# Altium PCB GridSeed_Rev04.PcbDoc (part 4 of 6)
Units mm, origin at the board's own origin, x right, y up, seen from the top; angles counter-clockwise.
Board outline 91 x 132.3 mm, 4 copper layers (L1, L2, L3, L4), stack 1.577 mm thick; 519 components, 141 nets, 2171 pads, 2470 vias.
Unrouted connection lines stored in the file: 1.
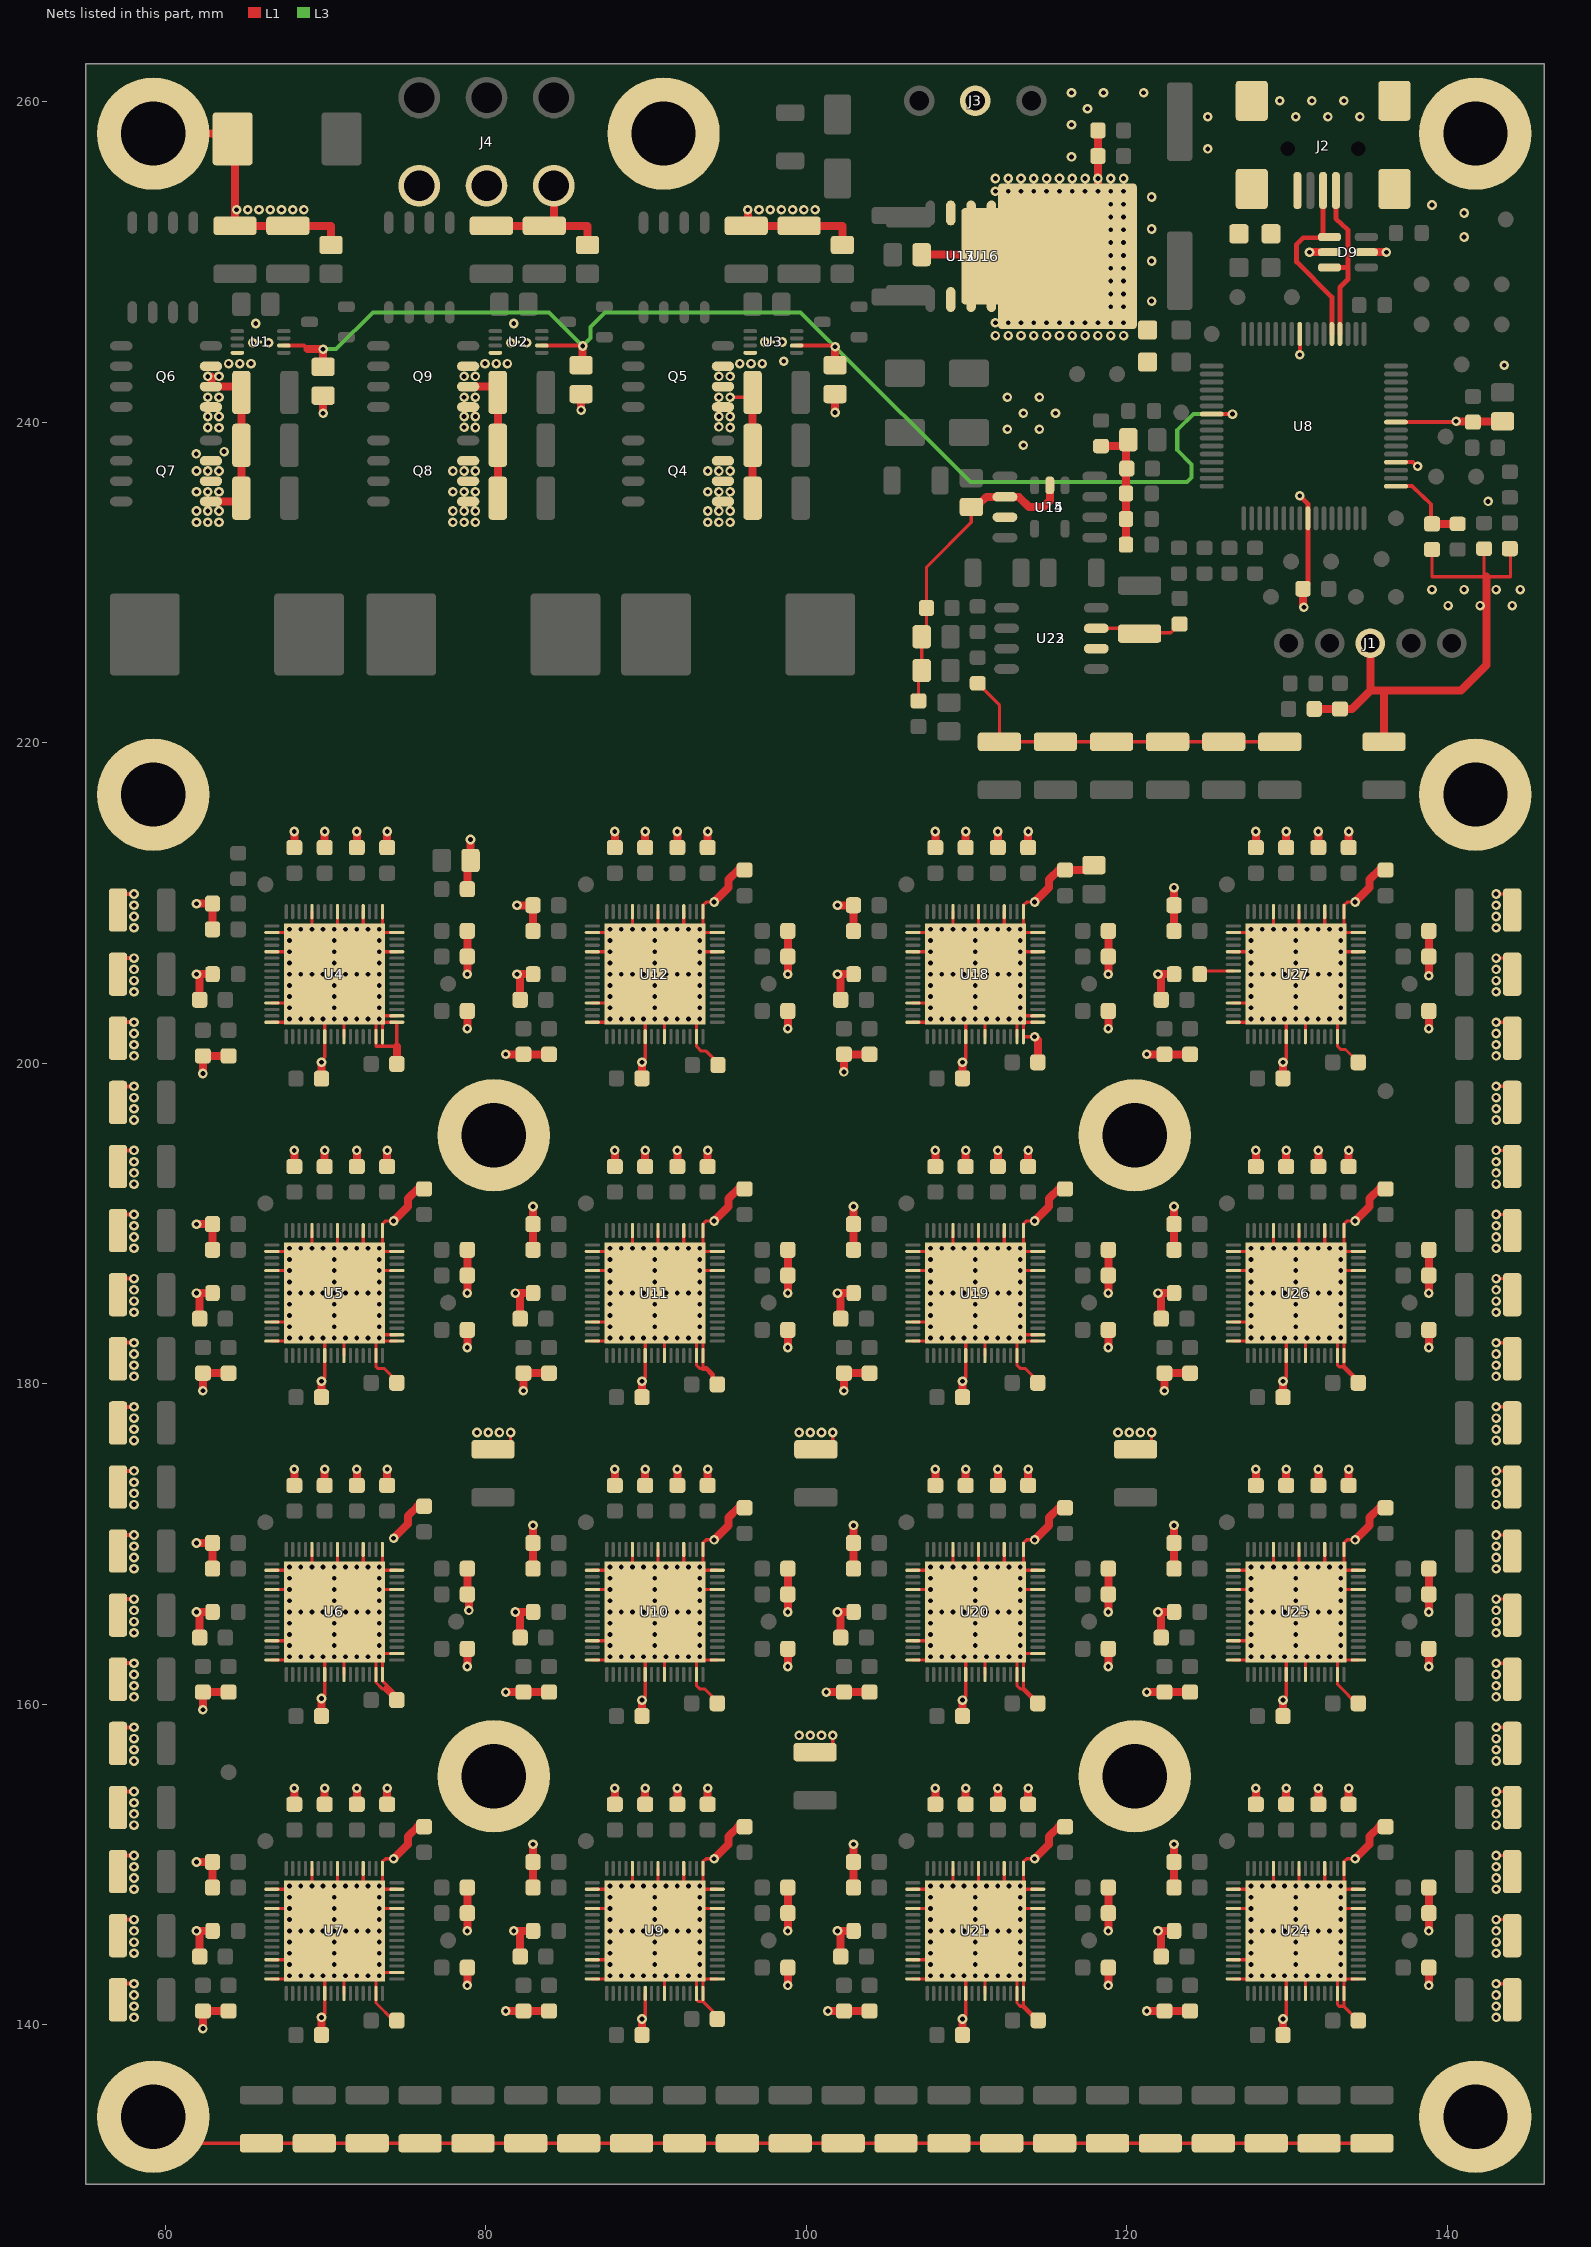
[diagram p6: the nets of this part, all layers, seen from the top]

## Via types
v1: diameter 0.6/0.6/0.6/0.6 (per signal layer), hole 0.3, L1 to L4, 2470 vias

## Nets (pads, with @x,y where several pads share a name; then routed paths per layer and width w, separated by ;. In a path a pad name is that pad's centre, name@x,y a point inside that pad or via, vN(x,y) a via of type N, cw(c..) or ccw(c..) an arc to the next point about the centre after c; other vN are vias at no path point) (continued)
CORE_CLKOUT_16: R67.2 U27.56 | length 2.2
  L1 w0.2: R67.2@124.55,205.55 124.85,205.75 U27.56@126.65,205.75
D+: D9.1 J2.3 U8.37 | length 11.7
  L1 w0.3: J2.3@132.25,254.45 D9.1@132.25,251.5 ; D9.1@132.65,251.55 D9.1@132.25,251.5 ; U8.37@132.8,245.5 132.8,247.8 130.6,250 130.6,251.1 131,251.5 D9.1@132.25,251.5
D-: D9.3 J2.2 U8.36 | length 10.6
  L1 w0.3: D9.3@132.65,249.65 133.8,249.65 ; J2.2@133.05,254.45 133.05,252.7 133.8,252 133.8,249.65 ; U8.36@133.3,245.5 133.3,248.4 133.8,248.9 133.8,249.65
DRVLOGIC: C4.1 C5.1 C6.1 U1.6 U2.6 U3.6 U8.55 | length 81.7
  L1 w0.2: C5.1@85.95,243.55 C5.1@86.05,243.55
  L1 w0.25: U1.6@67.4,244.775 68.669,244.775 68.868,244.576 ; U2.6@83.5,244.775 86.225,244.775 v1(86.05,244.75) ; U3.6@99.4,244.775 101.725,244.775 v1(101.8,244.7) ; U8.55@125.3,240.5 v1(126.6,240.5)
  L1 w0.5: 68.868,244.576 68.895,244.55 v1(69.85,244.55) C4.1@69.85,243.45 ; C5.1@86.05,243.55 v1(86.05,244.75) ; C6.1@101.8,243.55 v1(101.8,244.7)
  L3 w0.25: v1(69.85,244.55) 70.65,244.55 72.95,246.85 83.95,246.85 v1(86.05,244.75) 86.538,245.261 86.539,245.939 87.45,246.85 99.65,246.85 v1(101.8,244.7) 110.25,236.25 123.75,236.25 124.05,236.55 124.05,237.35 123.15,238.25 123.15,239.5 124.15,240.5 v1(126.6,240.5)
FB: C166.1 R26.1 U8.17 | length 5.5
  L1 w0.25: U8.17@136.8,236 137.8,236 139,234.85 139,233.7 C166.1@139.05,233.65
  L1 w0.5: C166.1@139.05,233.65 R26.1@140.65,233.65
GND: C1.1 C2.1 C3.1 C4.2 C5.2 C6.2 C10.1 C11.1 C12.1 C13.1 C14.1 C15.1 C16.1 C17.1 C18.1 C19.1 C20.2 C21.2 C22.1 C23.1 C24.1 C25.1 C26.1 C27.1 C28.1 C29.1 C30.1 C31.1 C32.1 C33.1 C34.1 C35.1 C36.1 C37.1 C38.1 C39.1 C40.1 C41.1 C42.1 C43.1 C44.1 C45.1 C46.1 C47.1 C48.1 C49.1 C50.1 C51.1 C52.1 C53.1 C54.1 C55.1 C56.1 C57.1 C58.1 C59.1 C60.1 C61.1 C62.1 C63.1 C64.1 C65.1 C66.1 C67.1 C68.1 C69.2 C70.1 C71.1 C72.1 C73.1 C74.1 C75.1 C76.1 C77.1 C78.1 C79.1 C80.1 C81.1 C82.1 C83.1 C84.1 C85.1 C118.1 C119.1 C120.1 C121.1 C122.1 C123.1 C124.1 C125.1 C126.1 C127.1 C128.1 C129.1 C130.1 C131.1 C132.1 C133.1 C134.1 C135.1 C136.1 C137.1 C138.2 C139.2 C140.1 C141.1 C142.1 C143.1 C144.1 C145.1 C146.1 C147.1 C148.1 C149.1 C150.1 C151.1 C152.1 C153.1 C154.1 C155.1 C156.1 C157.1 C158.1 C159.1 C160.1 C161.1 C162.1 C163.1 C166.2 C167.2 C168.2 C169.2 C170.2 C171.2 C172.2 C173.2 C174.2 C175.1 C176.1 C177.1 C178.1 C179.1 C180.1 C181.1 C182.1 C183.1 C184.1 C185.1 C186.1 C187.1 C188.1 C189.1 C190.1 C191.2 C224.1 C225.2 C226.2 C227.1 C228.1 C229.1 C230.1 C231.1 C232.1 C233.1 C234.1 C235.1 C236.1 C237.1 C238.1 C239.1 C240.1 C241.1 C242.1 C243.1 C244.1 C245.1 C246.1 C247.1 C248.1 C249.1 C250.1 C251.1 C252.1 C253.1 C254.1 C255.1 C256.1 C257.1 C258.1 C259.2 C260.2 C261.2 C262.1 C263.1 C264.1 C265.1 C266.1 C267.1 C268.1 C269.1 C270.1 C271.1 C272.1 C273.1 C274.2 C275.2 C276.1 C277.1 C278.1 C279.1 C280.1 C281.1 C282.1 C283.1 C284.1 C285.1 C286.1 C287.1 C288.1 C289.1 C290.1 C291.1 C324.1 C325.1 C326.1 C327.1 C328.1 C329.1 C330.1 C331.1 C332.1 C333.1 C334.1 C335.1 C336.1 C337.1 C338.1 C339.1 C340.1 C341.1 C342.1 C343.1 C344.1 C345.1 C346.1 C347.1 C348.1 C349.1 C350.1 C351.1 C352.1 C353.1 C354.1 C355.1 C356.1 C357.1 C358.1 C359.1 C360.1 C361.1 C362.1 C363.1 C364.1 C365.1 C366.1 C367.1 C368.1 C369.1 C370.1 C371.1 C372.1 C373.1 C374.1 C375.1 C376.1 C377.1 C378.1 C379.1 C380.1 C381.1 C382.1 C383.1 C_1.2 C_2.2 C_3.2 C_4.2 C_5.2 C_6.2 C_8.2 C_9.2 C_10.2 C_11.2 C_12.2 C_13.2 C_14.2 C_15.2 C_16.2 C_17.2 C_18.2 C_19.2 C_20.2 C_21.2 C_22.2 C_23.2 C_24.2 C_25.2 C_26.2 C_27.2 C_28.2 C_29.2 C_30.2 C_33.2 C_34.2 C_35.2 C_36.2 C_37.2 C_38.2 C_39.2 C_40.2 C_41.2 C_42.2 C_43.2 C_44.2 C_45.2 C_46.2 C_47.2 C_48.2 C_49.2 C_50.2 C_51.2 C_52.2 C_53.2 C_54.2 C_55.2 C_56.2 C_57.2 C_58.2 C_59.2 C_60.2 C_61.2 C_62.2 C_63.2 C_64.2 C_65.2 C_66.2 C_67.2 C_68.2 C_69.2 C_70.2 C_71.2 C_72.2 D4.1 D5.1 D6.1 D7.1 D9.2 D9.5 D12.2 J1.3 J2.5 J2.6 J2.7 J2.8 J2.9 J3.2 J4.4 J4.5 J4.6 J5.1 J6.1 J7.1 J8.1 J9.1 J10.1 J11.1 J12.1 J13.1 J14.1 J15.1 Q4.1 Q4.2 Q4.3 Q5.1 Q5.2 Q5.3 Q6.1 Q6.2 Q6.3 Q7.1 Q7.2 Q7.3 Q8.1 Q8.2 Q8.3 Q9.1 Q9.2 Q9.3 R1.1 R2.1 R3.1 R4.1 R17.2 R18.1 R19.1 R20.1 R21.2 R22.2 R24.2 R25.1 R30.2 R43.1 R44.1 R45.1 R46.1 R51.2 R55.2 R64.1 R65.1 R66.1 R67.1 U1.4 U1.9 U2.4 U2.9 U3.4 U3.9 U4.7 U4.10 U4.15 U4.16 U4.17 U4.18 U4.28 U4.31 U4.33 U4.36 U4.40 U4.44 U4.50 U4.53 U4.61 U4.64 U4.65 U5.7 U5.10 U5.15 U5.17 U5.18 U5.28 U5.31 U5.33 U5.36 U5.40 U5.44 U5.50 U5.53 U5.61 U5.64 U5.65 U6.7 U6.10 U6.15 U6.16 U6.18 U6.28 U6.31 U6.33 U6.36 U6.40 U6.44 U6.50 U6.53 U6.61 U6.64 U6.65 U7.7 U7.10 U7.15 U7.18 U7.28 U7.31 U7.33 U7.36 U7.40 U7.44 U7.50 U7.53 U7.61 U7.64 U7.65 U8.9 U8.20 U8.25 U8.41 U9.7 U9.10 U9.15 U9.16 U9.17 U9.28 U9.31 U9.33 U9.36 U9.40 U9.44 U9.50 U9.53 U9.61 U9.64 U9.65 U10.7 U10.10 U10.15 U10.17 U10.28 U10.31 U10.33 U10.36 U10.40 U10.44 U10.50 U10.53 U10.61 U10.64 U10.65 U11.7 U11.10 U11.15 U11.16 U11.28 U11.31 U11.33 U11.36 U11.40 U11.44 U11.50 U11.53 U11.61 U11.64 U11.65 U12.7 U12.10 U12.15 U12.28 U12.31 U12.33 U12.36 U12.40 U12.44 U12.50 U12.53 U12.61 U12.64 U12.65 U13.2 U13.3 U13.4 U13.5 U13.6 U13.7 U14.2 U15.6 U15.7 U16.4 U17.4 U18.7 U18.10 U18.15 U18.16 U18.17 U18.18 U18.28 U18.31 U18.33 U18.36 U18.40 U18.44 U18.50 U18.53 U18.61 U18.64 U18.65 U19.7 U19.10 U19.15 U19.17 U19.18 U19.28 U19.31 U19.33 U19.36 U19.40 U19.44 U19.50 U19.53 U19.61 U19.64 U19.65 U20.7 U20.10 U20.15 U20.16 U20.18 U20.28 U20.31 U20.33 U20.36 U20.40 U20.44 U20.50 U20.53 U20.61 U20.64 U20.65 U21.7 U21.10 U21.15 U21.16 U21.28 U21.31 U21.33 U21.36 U21.40 U21.44 U21.50 U21.53 U21.61 U21.64 U21.65 U22.6 U22.7 U23.6 U23.7 U24.7 U24.10 U24.15 U24.16 U24.17 U24.28 U24.31 U24.33 U24.36 U24.40 U24.44 U24.50 U24.53 U24.61 U24.64 U24.65 U25.7 U25.10 U25.15 U25.17 U25.28 U25.31 U25.33 U25.36 U25.40 U25.44 U25.50 U25.53 U25.61 U25.64 U25.65 U26.7 U26.10 U26.15 U26.16 U26.28 U26.31 U26.33 U26.36 U26.40 U26.44 U26.50 U26.53 U26.61 U26.64 U26.65 U27.7 U27.10 U27.15 U27.28 U27.31 U27.33 U27.36 U27.40 U27.44 U27.50 U27.53 U27.61 U27.64 U27.65 | length 1354.3
  L1 w0.2: J14.1@59.25,134.25 60.9,132.6 C_13.2@66,132.6 C_20.2@69.3,132.6 C_27.2@72.6,132.6 C_5.2@75.9,132.6 C_12.2@79.2,132.6 C_4.2@82.5,132.6 C_11.2@85.8,132.6 C_3.2@89.1,132.6 C_19.2@92.4,132.6 C_26.2@95.7,132.6 C_34.2@99,132.6 C_41.2@102.3,132.6 C_53.2@105.6,132.6 C_33.2@108.9,132.6 C_10.2@112.2,132.6 C_17.2@115.5,132.6 C_40.2@118.8,132.6 C_18.2@122.1,132.6 C_25.2@125.4,132.6 C_47.2@128.7,132.6 C_54.2@132,132.6 C_24.2@135.3,132.6 ; U7.64@66.65,142.85 U7.65@69.95,142.85 ; U7.61@66.65,144.05 U7.65@70.55,144.05 ; U7.53@66.65,147.25 v1(67.75,147.25) ; U7.50@66.65,148.45 U7.65@69.15,148.45 ; U6.64@66.65,162.75 67.75,162.75 v1(67.75,162.95) ; U6.61@66.65,163.95 U6.65@70.55,163.95 ; U6.53@66.65,167.15 v1(67.75,167.15) ; U6.50@66.65,168.35 68.45,168.35 U6.65@69.164,168.35 ; U5.64@66.65,182.65 U5.65@69.95,182.65 ; U5.61@66.65,183.85 U5.65@70.55,183.85 ; U5.53@66.65,187.05 v1(67.75,187.05) ; U5.50@66.65,188.25 U5.65@69.164,188.25 ; U4.64@66.65,202.55 69.15,202.55 U4.65@69.95,202.55 ; U4.61@66.65,203.75 U4.65@70.55,203.75 ; U4.53@66.65,206.95 v1(67.75,206.95) ; U4.50@66.65,208.15 69.15,208.15 U4.65@69.164,208.15 ; U7.44@69.15,149.75 v1(69.15,148.65) U7.65@69.15,148.45 ; U6.44@69.15,169.65 v1(69.15,168.55) 69.15,168.364 U6.65@69.164,168.35 ; U5.44@69.15,189.55 v1(69.15,188.45) 69.15,188.264 U5.65@69.164,188.25 ; U4.44@69.15,209.45 v1(69.15,208.35) 69.15,208.164 U4.65@69.164,208.15 ; v1(69.75,140.45) 69.95,140.65 U7.65@69.95,142.85 ; v1(69.75,160.35) 69.95,160.55 69.95,162.75 U6.65@70.55,162.75 ; v1(69.75,180.15) 69.95,180.35 U5.65@69.95,182.65 ; v1(69.75,200.05) 69.75,200.15 69.95,200.35 U4.65@69.95,202.55 ; v1(70.55,208.35) U4.65@70.55,208.15 ; U7.40@70.75,149.75 70.75,148.481 U7.65@70.781,148.45 ; U6.40@70.75,169.65 70.75,168.381 U6.65@70.781,168.35 ; U5.40@70.75,189.55 70.75,188.281 U5.65@70.781,188.25 ; U4.40@70.75,209.45 70.75,208.181 U4.65@70.781,208.15 ; U7.10@71.15,141.95 U7.65@71.15,142.85 ; U6.10@71.15,161.85 U6.65@71.15,162.75 ; U5.10@71.15,181.75 U5.65@71.15,182.65 ; U4.10@71.15,201.65 U4.65@71.15,202.55 ; U7.36@72.35,149.75 U7.65@72.35,148.45 ; U6.36@72.35,169.65 U6.65@72.35,168.35 ; U5.36@72.35,189.55 U5.65@72.35,188.25 ; U4.36@72.35,209.45 U4.65@72.35,208.15 ; v1(73.35,147.25) U7.28@74.45,147.25 ; v1(73.35,167.15) U6.28@74.45,167.15 ; v1(73.35,187.05) U5.28@74.45,187.05 ; v1(73.35,206.95) U4.28@74.45,206.95 ; U6.33@73.55,169.65 U6.65@73.55,168.35 ; U4.33@73.55,209.45 U4.65@73.55,208.15 ; v1(74.25,150.35) 73.75,150.35 73.55,150.15 U7.33@73.55,149.75 U7.65@73.55,148.45 ; v1(74.25,190.15) 73.75,190.15 73.55,189.95 U5.33@73.55,189.55 U5.65@73.55,188.25 ; C62.1@74.429,179.955 74.429,180.171 73.65,180.95 73.25,180.95 73.15,181.05 U5.15@73.15,181.75 U5.65@73.15,182.65 ; C64.1@74.45,140.25 74.25,140.25 73.15,141.35 U7.15@73.15,141.95 73.15,142.85 72.65,142.85 U7.65@71.15,142.85 ; U7.18@74.45,143.25 72.65,143.25 U7.65@70.55,143.25 ; U7.31@74.45,148.45 U7.65@73.55,148.45 ; U6.18@74.45,163.15 U6.65@73.55,163.15 ; U6.31@74.45,168.35 U6.65@73.55,168.35 ; U5.17@74.45,182.65 U5.65@73.15,182.65 ; U5.18@74.45,183.05 72.65,183.05 U5.65@70.55,183.05 ; U5.31@74.45,188.25 U5.65@73.55,188.25 ; U4.18@74.45,202.95 71.95,202.95 U4.65@70.55,202.95 ; U4.31@74.45,208.15 U4.65@73.55,208.15 ; C_35.2@80.45,175.9 80.45,175.85 81.55,175.85 v1(81.55,176.95) ; U9.64@86.65,142.85 88.45,142.85 89.85,142.85 U9.65@90.55,142.85 ; U9.61@86.65,144.05 U9.65@90.55,144.05 ; U9.53@86.65,147.25 v1(87.75,147.25) ; U9.50@86.65,148.45 89.85,148.45 U9.65@90.55,148.45 ; U10.64@86.65,162.75 88.45,162.75 U10.65@89.95,162.75 ; U10.61@86.65,163.95 U10.65@90.55,163.95 ; U10.53@86.65,167.15 v1(87.75,167.15) ; U10.50@86.65,168.35 U10.65@89.15,168.35 ; U11.64@86.65,182.65 89.85,182.65 U11.65@89.95,182.65 ; U11.61@86.65,183.85 U11.65@90.55,183.85 ; U11.53@86.65,187.05 v1(87.75,187.05) ; U11.50@86.65,188.25 U11.65@89.15,188.25 ; U12.64@86.65,202.55 U12.65@90.029,202.55 ; U12.61@86.65,203.75 U12.65@90.55,203.75 ; U12.53@86.65,206.95 v1(87.75,206.95) ; U12.50@86.65,208.15 89.85,208.15 90.55,208.15 v1(90.55,207.65) v1(90.55,206.95) v1(90.55,206.25) v1(90.55,205.55) v1(90.55,204.85) v1(90.55,204.15) U12.65@90.55,203.75 ; v1(89.15,148.65) U9.44@89.15,149.75 ; U10.44@89.15,169.65 v1(89.15,168.55) U10.65@89.15,168.35 ; U11.44@89.15,189.55 v1(89.15,188.45) U11.65@89.15,188.25 ; v1(89.15,208.35) U12.44@89.15,209.45 ; v1(89.75,140.35) 89.95,140.55 U9.7@89.95,141.95 ; v1(89.75,160.25) 89.95,160.45 U10.65@89.95,162.75 ; v1(89.75,180.15) 89.95,180.35 U11.65@89.95,182.65 ; v1(89.75,200.05) 89.95,200.25 89.95,202.471 U12.65@90.029,202.55 ; U9.40@90.75,149.75 90.75,148.481 U9.65@90.781,148.45 ; U10.40@90.75,169.65 90.75,168.381 U10.65@90.781,168.35 ; U11.40@90.75,189.55 90.75,188.281 90.781,188.25 U11.65@92.35,188.25 ; U12.40@90.75,209.45 90.75,208.181 90.781,208.15 91.95,208.15 U12.65@92.35,208.15 ; U9.10@91.15,141.95 U9.65@91.15,142.85 ; U10.10@91.15,161.85 U10.65@91.15,162.75 ; U11.10@91.15,181.75 91.15,182.65 U11.65@90.55,182.65 ; U12.10@91.15,201.65 91.15,202.55 U12.65@90.55,202.55 ; U9.36@92.35,149.75 U9.65@92.35,148.45 ; U10.36@92.35,169.65 U10.65@92.35,168.35 ; U11.36@92.35,189.55 U11.65@92.35,188.25 ; U12.36@92.35,209.45 U12.65@92.35,208.15 ; v1(93.35,147.25) U9.28@94.45,147.25 ; v1(93.35,167.15) U10.28@94.45,167.15 ; v1(93.35,187.05) U11.28@94.45,187.05 ; v1(93.35,202.75) 93.15,202.75 U12.15@93.15,201.65 93.15,201.05 93.45,200.75 93.75,200.75 94.45,200.05 94.45,199.92 C159.1@94.492,199.878 ; v1(93.35,206.95) U12.28@94.45,206.95 ; C158.1@94.15,179.95 C158.1@94.45,179.95 ; v1(94.25,150.35) 93.75,150.35 93.55,150.15 U9.33@93.55,149.75 U9.65@93.55,148.45 ; v1(94.25,170.25) 93.75,170.25 93.55,170.05 U10.33@93.55,169.65 U10.65@93.55,168.35 ; v1(94.25,190.15) 93.75,190.15 93.55,189.95 U11.33@93.55,189.55 U11.65@93.55,188.25 ; v1(94.25,210.05) 93.75,210.05 93.55,209.85 U12.33@93.55,209.45 U12.65@93.55,208.15 ; C157.1@94.426,159.956 94.426,160.174 93.65,160.95 93.35,160.95 93.15,161.15 U10.15@93.15,161.85 U10.65@93.15,162.75 ; C156.1@94.45,140.35 94.45,140.55 93.55,141.45 ; U9.17@94.45,142.85 U9.65@93.55,142.85 ; U9.31@94.45,148.45 U9.65@93.55,148.45 ; U10.17@94.45,162.75 U10.65@93.15,162.75 ; U10.31@94.45,168.35 U10.65@93.55,168.35 ; U11.31@94.45,188.25 U11.65@93.55,188.25 ; U12.31@94.45,208.15 U12.65@93.55,208.15 ; v1(95.25,241.55) C22.1@96.65,241.55 ; C_39.2@100.55,157 101.65,157 v1(101.65,158.05) ; C_48.2@100.6,175.9 101.65,175.9 v1(101.65,176.95) ; U21.64@106.65,142.85 109.15,142.85 U21.65@109.95,142.85 ; U21.61@106.65,144.05 U21.65@110.55,144.05 ; U21.53@106.65,147.25 v1(107.75,147.25) ; U21.50@106.65,148.45 U21.65@109.164,148.45 ; U20.64@106.65,162.75 U20.65@109.95,162.75 ; U20.61@106.65,163.95 U20.65@110.55,163.95 ; U20.53@106.65,167.15 v1(107.75,167.15) ; U20.50@106.65,168.35 108.45,168.35 U20.65@109.164,168.35 ; U19.64@106.65,182.65 U19.65@109.95,182.65 ; U19.61@106.65,183.85 U19.65@110.55,183.85 ; U19.53@106.65,187.05 v1(107.75,187.05) ; U19.50@106.65,188.25 U19.65@109.164,188.25 ; U18.64@106.65,202.55 108.45,202.55 U18.65@109.95,202.55 ; U18.61@106.65,203.75 U18.65@110.55,203.75 ; U18.53@106.65,206.95 v1(107.75,206.95) ; U18.50@106.65,208.15 U18.65@109.164,208.15 ; C261.2@107,222.6 107,224.3 C259.2@107.2,224.5 C274.2@107.2,226.6 107.5,226.6 C260.2@107.5,228.4 107.5,230.95 110.3,233.75 C226.2@110.3,234.7 ; U21.44@109.15,149.75 v1(109.15,148.65) 109.15,148.464 U21.65@109.164,148.45 ; U20.44@109.15,169.65 v1(109.15,168.55) 109.15,168.364 U20.65@109.164,168.35 ; U19.44@109.15,189.55 v1(109.15,188.45) 109.15,188.264 U19.65@109.164,188.25 ; U18.44@109.15,209.45 v1(109.15,208.35) 109.15,208.164 U18.65@109.164,208.15 ; v1(109.75,140.35) 109.95,140.55 U21.7@109.95,141.95 U21.65@109.95,142.85 ; v1(109.75,160.25) 109.95,160.45 U20.7@109.95,161.85 U20.65@109.95,162.75 ; v1(109.75,180.15) 109.95,180.35 U19.7@109.95,181.75 U19.65@109.95,182.65 ; v1(109.75,200.05) 109.95,200.25 U18.7@109.95,201.65 U18.65@109.95,202.55 ; R55.2@110.7,223.7 112.05,222.35 C_28.2@112.05,220.05 C_14.2@129.55,220.05 ; U21.40@110.75,149.75 110.75,148.481 U21.65@110.781,148.45 ; U20.40@110.75,169.65 110.75,168.381 U20.65@110.781,168.35 ; U19.40@110.75,189.55 110.75,188.281 U19.65@110.781,188.25 ; U18.40@110.75,209.45 110.75,208.181 U18.65@110.781,208.15 ; U21.10@111.15,141.95 U21.65@111.15,142.85 ; U20.10@111.15,161.85 U20.65@111.15,162.75 ; U19.10@111.15,181.75 U19.65@111.15,182.65 ; U18.10@111.15,201.65 U18.65@111.15,202.55 ; U21.36@112.35,149.75 U21.65@112.35,148.45 ; U20.36@112.35,169.65 U20.65@112.35,168.35 ; U19.36@112.35,189.55 U19.65@112.35,188.25 ; U18.36@112.35,209.45 U18.65@112.35,208.15 ; U18.15@113.15,201.65 U18.65@113.15,202.55 ; v1(113.35,147.25) U21.28@114.45,147.25 ; v1(113.35,167.15) U20.28@114.45,167.15 ; v1(113.35,187.05) U19.28@114.45,187.05 ; v1(113.35,206.95) U18.28@114.45,206.95 ; v1(114.25,150.35) 113.75,150.35 113.55,150.15 113.55,148.65 U21.65@113.55,148.45 ; v1(114.25,170.25) 113.75,170.25 113.55,170.05 U20.65@113.55,168.35 ; v1(114.25,190.15) 113.75,190.15 113.55,189.95 U19.65@113.55,188.25 ; v1(114.25,201.65) U18.16@113.55,201.65 U18.65@113.55,202.55 ; v1(114.25,210.05) 113.75,210.05 113.55,209.85 U18.65@113.55,208.15 ; U21.31@114.45,148.45 U21.65@113.55,148.45 ; U20.18@114.45,163.15 U20.65@113.55,163.15 ; U20.31@114.45,168.35 U20.65@113.55,168.35 ; C267.1@114.45,180.05 114.45,180.15 113.65,180.95 113.35,180.95 113.15,181.15 U19.15@113.15,181.75 U19.65@113.15,182.65 ; U19.17@114.45,182.65 U19.65@113.15,182.65 ; U19.18@114.45,183.05 111.95,183.05 U19.65@110.55,183.05 ; U19.31@114.45,188.25 U19.65@113.55,188.25 ; U18.17@114.45,202.55 U18.65@113.55,202.55 ; U18.18@114.45,202.95 U18.65@110.55,202.95 ; U18.31@114.45,208.15 U18.65@113.55,208.15 ; U23.7@118.1,227.135 120.8,227.135 C224.1@120.8,226.8 120.85,226.85 122.75,226.85 C170.2@123.3,227.4 ; C_6.2@120.55,175.9 121.55,175.9 v1(121.55,176.95) ; U24.64@126.65,142.85 129.15,142.85 U24.65@129.95,142.85 ; U24.61@126.65,144.05 U24.65@130.55,144.05 ; U24.53@126.65,147.25 v1(127.75,147.25) ; U24.50@126.65,148.45 U24.65@129.164,148.45 ; U25.64@126.65,162.75 U25.65@129.91,162.75 ; U25.61@126.65,163.95 U25.65@130.55,163.95 ; U25.53@126.65,167.15 v1(127.75,167.15) ; U25.50@126.65,168.35 U25.65@129.164,168.35 ; U26.64@126.65,182.65 U26.65@129.95,182.65 ; U26.61@126.65,183.85 U26.65@130.55,183.85 ; U26.53@126.65,187.05 v1(127.75,187.05) ; U26.50@126.65,188.25 U26.65@129.164,188.25 ; U27.64@126.65,202.55 128.45,202.55 U27.65@129.964,202.55 ; U27.61@126.65,203.75 U27.65@130.55,203.75 ; U27.53@126.65,206.95 v1(127.75,206.95) ; U27.50@126.65,208.15 U27.65@129.164,208.15 ; U24.44@129.15,149.75 v1(129.15,148.65) 129.15,148.464 U24.65@129.164,148.45 ; U25.44@129.15,169.65 v1(129.15,168.55) 129.15,168.364 U25.65@129.164,168.35 ; U26.44@129.15,189.55 v1(129.15,188.45) 129.15,188.264 U26.65@129.164,188.25 ; U27.44@129.15,209.45 v1(129.15,208.35) 129.15,208.164 U27.65@129.164,208.15 ; v1(129.75,140.35) 129.95,140.55 U24.7@129.95,141.95 U24.65@129.95,142.85 ; v1(129.75,160.25) 129.95,160.45 U25.7@129.95,161.85 129.95,162.71 U25.65@129.91,162.75 ; v1(129.75,180.15) 129.95,180.35 U26.7@129.95,181.75 U26.65@129.95,182.65 ; v1(129.75,200.05) 129.95,200.25 U27.7@129.95,201.65 129.95,202.536 U27.65@129.964,202.55 ; U24.40@130.75,149.75 130.75,148.481 U24.65@130.781,148.45 ; U25.40@130.75,169.65 130.75,168.381 U25.65@130.781,168.35 ; U26.40@130.75,189.55 130.75,188.281 U26.65@130.781,188.25 ; U27.40@130.75,209.45 130.75,208.181 U27.65@130.781,208.15 ; U24.10@131.15,141.95 U24.65@131.15,142.85 ; U25.10@131.15,161.85 U25.65@131.15,162.75 ; U26.10@131.15,181.75 U26.65@131.15,182.65 ; U27.10@131.15,201.65 U27.65@131.15,202.55 ; U24.36@132.35,149.75 U24.65@132.35,148.45 ; U25.36@132.35,169.65 U25.65@132.35,168.35 ; U26.36@132.35,189.55 U26.65@132.35,188.25 ; U27.36@132.35,209.45 U27.65@132.35,208.15 ; v1(133.35,147.25) U24.28@134.45,147.25 ; v1(133.35,167.15) U25.28@134.45,167.15 ; v1(133.35,187.05) U26.28@134.45,187.05 ; v1(133.35,206.95) U27.28@134.45,206.95 ; v1(134.25,150.35) 133.75,150.35 133.55,150.15 U24.33@133.55,149.75 U24.65@133.55,148.45 ; v1(134.25,170.25) 133.75,170.25 133.55,170.05 U25.33@133.55,169.65 U25.65@133.55,168.35 ; v1(134.25,190.15) 133.75,190.15 133.55,189.95 U26.33@133.55,189.55 U26.65@133.55,188.25 ; v1(134.25,210.05) 133.75,210.05 133.55,209.85 U27.33@133.55,209.45 U27.65@133.55,208.15 ; C361.1@134.426,159.956 133.15,161.232 U25.15@133.15,161.85 U25.65@133.15,162.75 ; C360.1@134.45,140.25 133.55,141.15 ; U24.17@134.45,142.85 U24.65@133.55,142.85 ; U24.31@134.45,148.45 U24.65@133.55,148.45 ; U25.17@134.45,162.75 U25.65@133.15,162.75 ; U25.31@134.45,168.35 U25.65@133.55,168.35 ; C362.1@134.45,180.05 C362.1@134.45,180.15 ; U26.31@134.45,188.25 U26.65@133.55,188.25 ; C366.1@134.45,200.05 133.65,200.85 133.35,200.85 133.15,201.05 U27.15@133.15,201.65 133.15,202.55 U27.65@131.15,202.55 ; U27.31@134.45,208.15 U27.65@133.55,208.15 ; C166.2@139.05,232.05 139.05,230.35 142.3,230.35 ; R25.1@142.3,232.1 142.3,230.35 ; v1(143.05,142.55) 144.05,142.55 C_42.2@144.05,141.55 ; v1(143.05,146.55) 144.05,146.55 C_49.2@144.05,145.55 ; v1(143.05,150.55) 144.05,150.55 C_55.2@144.05,149.55 ; v1(143.05,154.55) 144.05,154.55 C_56.2@144.05,153.55 ; v1(143.05,158.55) 144.05,158.55 C_63.2@144.05,157.55 ; v1(143.05,162.55) 144.05,162.55 C_62.2@144.05,161.55 ; v1(143.05,166.55) 144.05,166.55 C_61.2@144.05,165.55 ; v1(143.05,170.55) 144.05,170.55 C_60.2@144.05,169.55 ; v1(143.05,174.55) 144.05,174.55 C_59.2@144.05,173.55 ; v1(143.05,178.55) 144.05,178.55 C_66.2@144.05,177.55 ; v1(143.05,182.55) 144.05,182.55 C_67.2@144.05,181.55 ; v1(143.05,186.55) 144.05,186.55 C_68.2@144.05,185.55 ; v1(143.05,190.55) 144.05,190.55 C_69.2@144.05,189.55 ; v1(143.05,194.55) 144.05,194.55 C_70.2@144.05,193.55 ; v1(143.05,198.55) 144.05,198.55 C_71.2@144.05,197.55 ; v1(143.05,202.55) 144.05,202.55 C_64.2@144.05,201.55 ; v1(143.05,206.55) 144.05,206.55 C_57.2@144.05,205.55 ; v1(143.05,210.55) 144.05,210.55 C_50.2@144.05,209.55 ; C138.2@143.9,232.1 143.95,232.1 143.95,230.35 142.45,230.35 142.3,230.35 ; U7.65@69.15,148.45 U7.65@70.55,148.45 ; U6.65@69.164,168.35 U6.65@70.55,168.35 ; U5.65@69.164,188.25 U5.65@70.55,188.25 ; U4.65@69.164,208.15 U4.65@70.55,208.15 ; U7.65@69.95,142.85 U7.65@70.55,142.85 ; U5.65@69.95,182.65 U5.65@70.55,182.65 ; U4.65@69.95,202.55 U4.65@70.55,202.55 ; U7.65@70.55,142.85 U7.65@71.15,142.85 ; U7.65@70.55,142.85 v1(70.55,143.05) U7.65@70.55,143.25 ; U7.65@70.55,143.25 v1(70.55,143.75) U7.65@70.55,144.05 ; U7.65@70.55,144.05 v1(70.55,144.45) v1(70.55,145.15) v1(70.55,145.85) v1(70.55,146.55) v1(70.55,147.25) v1(70.55,147.95) U7.65@70.55,148.45 ; U7.65@70.55,148.45 U7.65@70.781,148.45 ; U6.65@70.55,162.75 U6.65@71.15,162.75 ; U6.65@70.55,162.75 v1(70.55,162.95) U6.65@70.55,163.15 ; U6.65@70.55,163.15 73.35,163.15 U6.65@73.55,163.15 ; U6.65@70.55,163.15 v1(70.55,163.65) U6.65@70.55,163.95 ; U6.65@70.55,163.95 v1(70.55,164.35) v1(70.55,165.05) v1(70.55,165.75) v1(70.55,166.45) v1(70.55,167.15) v1(70.55,167.85) U6.65@70.55,168.35 ; U6.65@70.55,168.35 U6.65@70.781,168.35 ; U5.65@70.55,182.65 U5.65@71.15,182.65 ; U5.65@70.55,182.65 v1(70.55,182.85) U5.65@70.55,183.05 ; U5.65@70.55,183.05 v1(70.55,183.55) U5.65@70.55,183.85 ; U5.65@70.55,183.85 v1(70.55,184.25) v1(70.55,184.95) v1(70.55,185.65) v1(70.55,186.35) v1(70.55,187.05) v1(70.55,187.75) U5.65@70.55,188.25 ; U5.65@70.55,188.25 U5.65@70.781,188.25 ; U4.65@70.55,202.55 U4.65@71.15,202.55 ; U4.65@70.55,202.55 v1(70.55,202.75) U4.65@70.55,202.95 ; U4.65@70.55,202.95 v1(70.55,203.45) U4.65@70.55,203.75 ; U4.65@70.55,203.75 v1(70.55,204.15) v1(70.55,204.85) v1(70.55,205.55) v1(70.55,206.25) v1(70.55,206.95) v1(70.55,207.65) U4.65@70.55,208.15 ; U4.65@70.55,208.15 U4.65@70.781,208.15 ; U7.65@70.781,148.45 U7.65@72.35,148.45 ; U6.65@70.781,168.35 U6.65@72.35,168.35 ; U5.65@70.781,188.25 U5.65@72.35,188.25 ; U4.65@70.781,208.15 U4.65@72.35,208.15 ; U6.65@71.15,162.75 71.95,162.75 73.15,162.75 U6.15@73.15,161.85 73.15,161.35 73.55,160.95 73.85,160.95 73.85,161.15 73.55,161.45 U6.16@73.55,161.85 U6.65@73.55,163.15 ; U5.65@71.15,182.65 U5.65@73.15,182.65 ; U4.65@71.15,202.55 71.95,202.55 U4.65@73.15,202.55 ; U7.65@72.35,148.45 73.35,148.45 U7.65@73.55,148.45 ; U6.65@72.35,168.35 U6.65@73.55,168.35 ; U5.65@72.35,188.25 U5.65@73.55,188.25 ; U4.65@72.35,208.15 U4.65@73.55,208.15 ; U4.65@73.15,202.55 U4.65@73.55,202.55 ; U4.65@73.15,202.55 U4.15@73.15,201.65 73.15,201.05 73.55,201.05 ; 73.55,201.05 74.45,201.05 U4.17@74.45,202.55 U4.65@73.55,202.55 ; 73.55,201.05 U4.16@73.55,201.65 U4.65@73.55,202.55 ; U10.65@89.15,168.35 U10.65@90.55,168.35 ; U11.65@89.15,188.25 90.55,188.25 v1(90.55,187.75) v1(90.55,187.05) v1(90.55,186.35) v1(90.55,185.65) v1(90.55,184.95) v1(90.55,184.25) U11.65@90.55,183.85 ; U10.65@89.95,162.75 U10.65@90.55,162.75 ; U11.65@89.95,182.65 U11.65@90.55,182.65 ; U12.65@90.029,202.55 U12.65@90.55,202.55 ; U9.65@90.55,142.85 U9.65@91.15,142.85 ; U9.65@90.55,142.85 v1(90.55,143.05) v1(90.55,143.75) U9.65@90.55,144.05 ; U9.65@90.55,144.05 v1(90.55,144.45) v1(90.55,145.15) v1(90.55,145.85) v1(90.55,146.55) v1(90.55,147.25) v1(90.55,147.95) U9.65@90.55,148.45 ; U9.65@90.55,148.45 U9.65@90.781,148.45 ; U10.65@90.55,162.75 U10.65@91.15,162.75 ; U10.65@90.55,162.75 v1(90.55,162.95) v1(90.55,163.65) U10.65@90.55,163.95 ; U10.65@90.55,163.95 v1(90.55,164.35) v1(90.55,165.05) v1(90.55,165.75) v1(90.55,166.45) v1(90.55,167.15) v1(90.55,167.85) U10.65@90.55,168.35 ; U10.65@90.55,168.35 U10.65@90.781,168.35 ; U11.65@90.55,182.65 v1(90.55,182.85) ; v1(90.55,182.85) v1(91.25,182.85) v1(91.95,182.85) v1(92.65,182.85) U11.65@93.15,182.85 ; v1(90.55,182.85) v1(90.55,183.55) U11.65@90.55,183.85 ; U12.65@90.55,202.55 v1(90.55,202.75) v1(90.55,203.45) U12.65@90.55,203.75 ; U9.65@90.781,148.45 91.25,148.45 U9.65@92.35,148.45 ; U10.65@90.781,168.35 U10.65@92.35,168.35 ; U9.65@91.15,142.85 U9.65@93.15,142.85 ; U10.65@91.15,162.75 92.65,162.75 U10.65@93.15,162.75 ; U9.65@92.35,148.45 U9.65@93.55,148.45 ; U10.65@92.35,168.35 U10.65@93.55,168.35 ; U11.65@92.35,188.25 U11.65@93.55,188.25 ; U12.65@92.35,208.15 U12.65@93.55,208.15 ; U9.65@93.15,142.85 U9.65@93.55,142.85 ; U9.65@93.15,142.85 U9.15@93.15,141.95 93.15,141.55 93.25,141.45 93.55,141.45 ; U11.65@93.15,182.85 U11.15@93.15,181.75 93.15,181.15 93.35,180.95 93.55,180.95 U11.16@93.55,181.75 93.55,182.85 v1(93.35,182.85) U11.65@93.15,182.85 ; 93.55,141.45 U9.16@93.55,141.95 U9.65@93.55,142.85 ; U21.65@109.164,148.45 U21.65@110.55,148.45 ; U20.65@109.164,168.35 U20.65@110.55,168.35 ; U19.65@109.164,188.25 U19.65@110.55,188.25 ; U18.65@109.164,208.15 U18.65@110.55,208.15 ; U21.65@109.95,142.85 U21.65@110.55,142.85 ; U20.65@109.95,162.75 U20.65@110.55,162.75 ; U19.65@109.95,182.65 U19.65@110.55,182.65 ; U18.65@109.95,202.55 U18.65@110.55,202.55 ; U21.65@110.55,142.85 U21.65@111.15,142.85 ; U21.65@110.55,142.85 v1(110.55,143.05) v1(110.55,143.75) U21.65@110.55,144.05 ; U21.65@110.55,144.05 v1(110.55,144.45) v1(110.55,145.15) v1(110.55,145.85) v1(110.55,146.55) v1(110.55,147.25) v1(110.55,147.95) U21.65@110.55,148.45 ; U21.65@110.55,148.45 U21.65@110.781,148.45 ; U20.65@110.55,162.75 U20.65@111.15,162.75 ; U20.65@110.55,162.75 v1(110.55,162.95) U20.65@110.55,163.15 ; U20.65@110.55,163.15 U20.65@113.55,163.15 ; U20.65@110.55,163.15 v1(110.55,163.65) U20.65@110.55,163.95 ; U20.65@110.55,163.95 v1(110.55,164.35) v1(110.55,165.05) v1(110.55,165.75) v1(110.55,166.45) v1(110.55,167.15) v1(110.55,167.85) U20.65@110.55,168.35 ; U20.65@110.55,168.35 U20.65@110.781,168.35 ; U19.65@110.55,182.65 U19.65@111.15,182.65 ; U19.65@110.55,182.65 v1(110.55,182.85) U19.65@110.55,183.05 ; U19.65@110.55,183.05 v1(110.55,183.55) U19.65@110.55,183.85 ; U19.65@110.55,183.85 v1(110.55,184.25) v1(110.55,184.95) v1(110.55,185.65) v1(110.55,186.35) v1(110.55,187.05) v1(110.55,187.75) U19.65@110.55,188.25 ; U19.65@110.55,188.25 U19.65@110.781,188.25 ; U18.65@110.55,202.55 U18.65@111.15,202.55 ; U18.65@110.55,202.55 v1(110.55,202.75) U18.65@110.55,202.95 ; U18.65@110.55,202.95 v1(110.55,203.45) U18.65@110.55,203.75 ; U18.65@110.55,203.75 